# Altium PCB miniBackplane.PcbDoc (part 5 of 24) (continued)
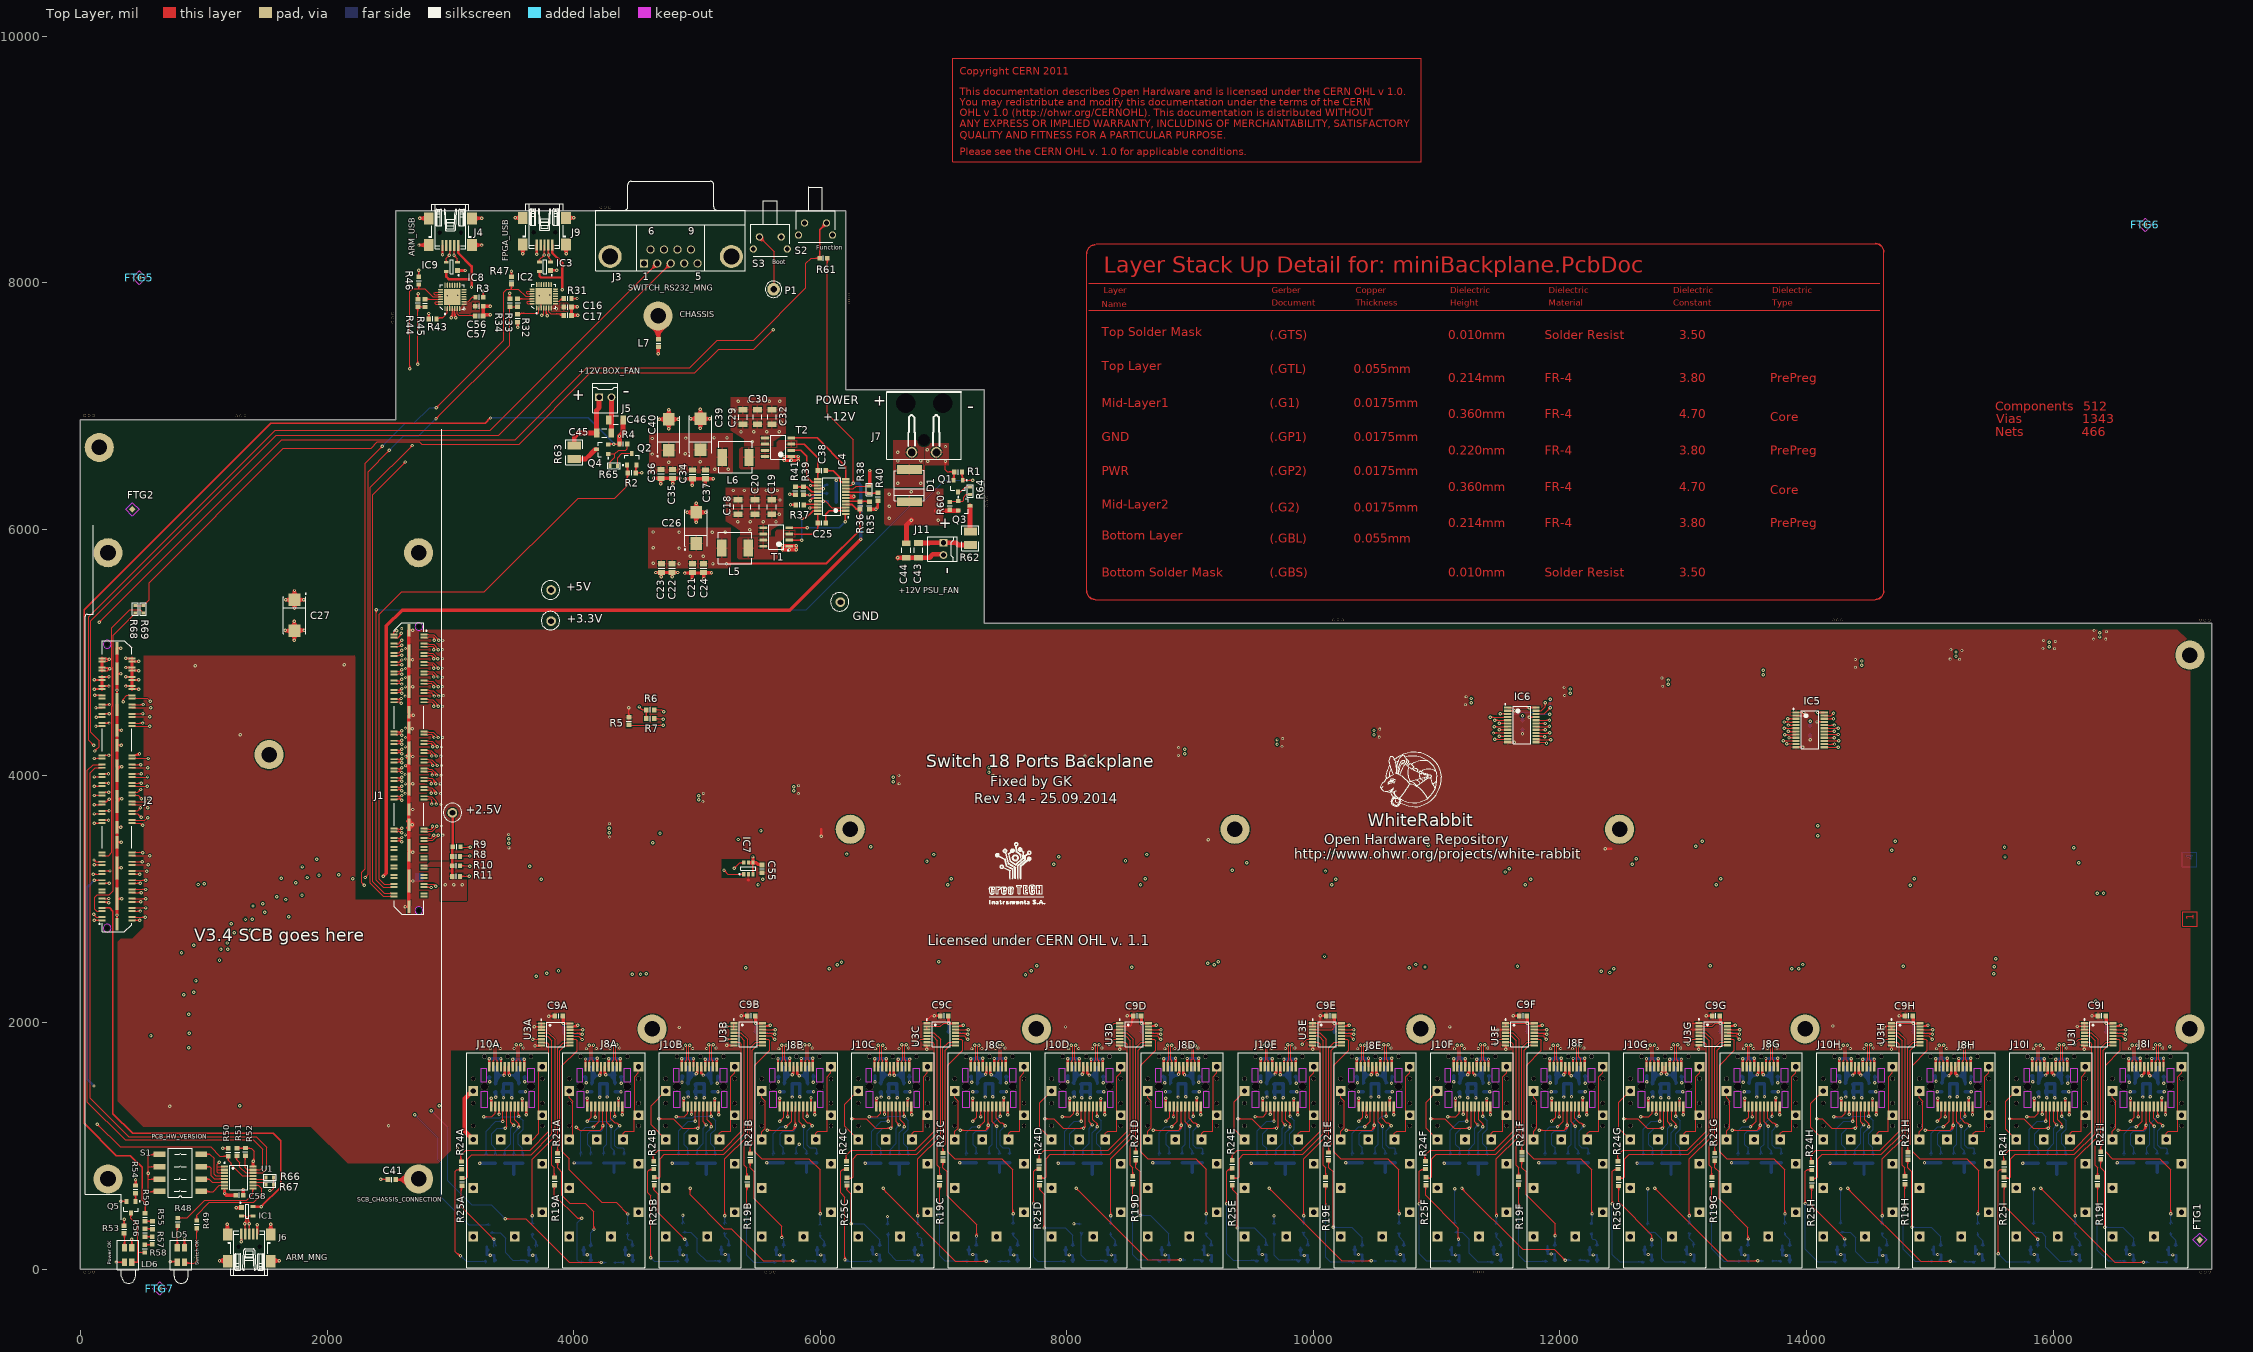
[diagram p0: Top Layer view]
## Nets (pads, with @x,y where several pads share a name; then routed paths per layer and width w, separated by ;. In a path a pad name is that pad's centre, name@x,y a point inside that pad or via, vN(x,y) a via of type N, cw(c..) or ccw(c..) an arc to the next point about the centre after c; other vN are vias at no path point) (continued)
  Mid-Layer 2 w7.09: v1(2691.56,6679.56) 2735,6723 v1(2735,7339) ; 2709.04,6697.04 ccw(c2726.51,6679.56) 2701.8,6679.56 cw(c2726.51,6679.56) 2709.04,6697.04 ; 2709.04,6697.04 cw(c2691.56,6714.51) 2691.56,6689.8 ccw(c2691.56,6714.51) 2709.04,6697.04 ; 2735,7314.29 ccw(c2710.29,7314.29) 2727.76,7331.76 cw(c2710.29,7314.29) 2735,7314.29 ; 2735,7314.29 cw(c2759.71,7314.29) 2742.24,7331.76 ccw(c2759.71,7314.29) 2735,7314.29
ARM_DEBUG_TXD: IC8.25 J1.94 R46.1 | length 5918.2
  Top Layer w7.87: J1.94@2543.05,3047.49 2476.63,3047.49 2476.38,3047.24 2465.76,3047.24 2372,3141 2372,6282 v1(2636,6546) ; 2620.52,6532.01 ccw(c2615.66,6550.17) v1@2634.07,6546.39 ; 2622.01,6530.52 cw(c2640.17,6525.66) v1@2636.39,6544.07 ; v1(2672,7302) 2672,7927.5 ; 2672,7929.5 2694.5,7952 2743,7952 ; R46.1@2744,7985.5 2744,7953 ; IC8.25@2921.51,7885 2858,7885 2791,7952 2743,7952 ; 2512.88,3047.49 ccw(c2512.88,3057) 2519.6,3050.28 cw(c2512.88,3057) 2512.88,3047.49 ; 2512.88,3047.49 cw(c2512.88,3037.99) 2519.6,3044.71 ccw(c2512.88,3037.99) 2512.88,3047.49 ; 2619.2,6529.2 ccw(c2602.4,6546) 2626.16,6546 cw(c2602.4,6546) 2619.2,6529.2 ; 2619.2,6529.2 cw(c2636,6512.4) 2636,6536.16 ccw(c2636,6512.4) 2619.2,6529.2 ; 2672,7325.76 ccw(c2695.76,7325.76) 2678.96,7308.96 cw(c2695.76,7325.76) 2672,7325.76 ; 2672,7325.76 cw(c2648.24,7325.76) 2665.04,7308.96 ccw(c2648.24,7325.76) 2672,7325.76 ; 2743,7952 2744,7953 ; 2744,7953 ccw(c2712.56,7953) 2734.42,7975.6 cw(c2712.56,7953) 2744,7953 ; 2744,7953 cw(c2775.44,7953) 2753.58,7975.6 ccw(c2775.44,7953) 2744,7953
  Mid-Layer 1 w7.87: v1(2636,6546) v1@2638,6548
  Mid-Layer 2 w7.09: v1@2638,6548 2638,6813 2672,6847 v1(2672,7302) ; 2672,7277.29 ccw(c2647.29,7277.29) 2664.76,7294.76 cw(c2647.29,7277.29) 2672,7277.29 ; 2672,7277.29 cw(c2696.71,7277.29) 2679.24,7294.76 ccw(c2696.71,7277.29) 2672,7277.29 ; v1@2628.76,6553.24 ccw(c2606.46,6575.54) 2638,6575.54 cw(c2606.46,6575.54) v1@2628.76,6553.24 ; 2638,6565.88 ccw(c2655.88,6565.88) 2643.24,6553.24 cw(c2655.88,6565.88) 2638,6565.88
BOOT_SELECT: J2.5 R68.2 | length 2654.9
  Top Layer w6: J2.5@174.94,2903.79 134.36,2903.79 118,2920.15 118,3015 137,3034 234,3034 267,3067 267,5142.49 R68.2@444,5319.49
CHASSIS: C41.1 J6.6 J8A.21 J8A.22 J8A.23 J8A.24 J8A.25 J8A.26 J8A.27 J8A.28 J8A.29 J8A.30 J8A.31 J8B.21 J8B.22 J8B.23 J8B.24 J8B.25 J8B.26 J8B.27 J8B.28 J8B.29 J8B.30 J8B.31 J8C.21 J8C.22 J8C.23 J8C.24 J8C.25 J8C.26 J8C.27 J8C.28 J8C.29 J8C.30 J8C.31 J8D.21 J8D.22 J8D.23 J8D.24 J8D.25 J8D.26 J8D.27 J8D.28 J8D.29 J8D.30 J8D.31 J8E.21 J8E.22 J8E.23 J8E.24 J8E.25 J8E.26 J8E.27 J8E.28 J8E.29 J8E.30 J8E.31 J8F.21 J8F.22 J8F.23 J8F.24 J8F.25 J8F.26 J8F.27 J8F.28 J8F.29 J8F.30 J8F.31 J8G.21 J8G.22 J8G.23 J8G.24 J8G.25 J8G.26 J8G.27 J8G.28 J8G.29 J8G.30 J8G.31 J8H.21 J8H.22 J8H.23 J8H.24 J8H.25 J8H.26 J8H.27 J8H.28 J8H.29 J8H.30 J8H.31 J8I.21 J8I.22 J8I.23 J8I.24 J8I.25 J8I.26 J8I.27 J8I.28 J8I.29 J8I.30 J8I.31 J10A.21 J10A.22 J10A.23 J10A.24 J10A.25 J10A.26 J10A.27 J10A.28 J10A.29 J10A.30 J10A.31 J10B.21 J10B.22 J10B.23 J10B.24 J10B.25 J10B.26 J10B.27 J10B.28 J10B.29 J10B.30 J10B.31 J10C.21 J10C.22 J10C.23 J10C.24 J10C.25 J10C.26 J10C.27 J10C.28 J10C.29 J10C.30 J10C.31 J10D.21 J10D.22 J10D.23 J10D.24 J10D.25 J10D.26 J10D.27 J10D.28 J10D.29 J10D.30 J10D.31 J10E.21 J10E.22 J10E.23 J10E.24 J10E.25 J10E.26 J10E.27 J10E.28 J10E.29 J10E.30 J10E.31 J10F.21 J10F.22 J10F.23 J10F.24 J10F.25 J10F.26 J10F.27 J10F.28 J10F.29 J10F.30 J10F.31 J10G.21 J10G.22 J10G.23 J10G.24 J10G.25 J10G.26 J10G.27 J10G.28 J10G.29 J10G.30 J10G.31 J10H.21 J10H.22 J10H.23 J10H.24 J10H.25 J10H.26 J10H.27 J10H.28 J10H.29 J10H.30 J10H.31 J10I.21 J10I.22 J10I.23 J10I.24 J10I.25 J10I.26 J10I.27 J10I.28 J10I.29 J10I.30 J10I.31 pad.@2743.29,731.25 | length 21471.4
  Top Layer w6: J10A.26@3621.58,1050.67 3668.67,1050.67 3719,1101 3719,1218 3746.38,1245.38 J10A.23@3746.38,1247.52 3718,1275.9 3718,1599 3746.38,1627.38 J10A.22@3746.38,1641.22 ; J8A.24@3965.35,1050.67 3993,1078.31 3993,1363 3965.35,1390.65 J8A.21@3965.35,1444.37 ; J8A.26@4401.58,1050.67 4401.58,1099.58 4420,1118 4494,1118 4494,1228 4513.52,1247.52 J8A.23@4526.38,1247.52 4495,1278.9 4495,1560 4526.38,1591.38 J8A.22@4526.38,1641.22 ; J10B.24@4746.81,1050.67 4629,1168.48 4629,1326.56 J10B.21@4746.81,1444.37 ; J10B.26@5183.03,1050.67 5183.03,1099.58 5201.46,1118 5275.46,1118 J10B.23@5275.46,1228 ; J10B.23@5276.46,1278.9 5276.46,1560 5307.83,1591.38 J10B.22@5307.83,1641.22 ; J8B.24@5526.81,1050.67 5526.81,1113.35 5554.46,1141 5554.46,1363 5526.81,1390.65 J8B.21@5526.81,1444.37 ; J8B.26@5963.03,1050.67 5963.03,1099.58 5981.46,1118 6055.46,1118 J8B.23@6055.46,1228 ; J8B.23@6056.46,1278.9 6056.46,1560 6087.83,1591.38 J8B.22@6087.83,1641.22 ; J10C.24@6309.31,1050.67 6199.8,1160.18 6199.8,1337.8 6306.37,1444.37 J10C.21@6309.31,1444.37 ; J10C.26@6745.53,1050.67 6745.53,1099.58 6763.96,1118 6837.96,1118 J10C.23@6837.96,1228 ; J10C.23@6838.96,1278.9 6838.96,1560 6870.33,1591.38 J10C.22@6870.33,1641.22 ; J8C.24@7091.81,1050.67 7091.81,1116.35 7119.46,1144 7119.46,1363 7091.81,1390.65 J8C.21@7091.81,1444.37 ; J8C.26@7528.03,1050.67 7528.03,1099.58 7546.46,1118 7620.46,1118 J8C.23@7620.46,1228 ; J8C.23@7621.46,1278.9 7621.46,1560 7652.83,1591.38 J8C.22@7652.83,1641.22 ; J10D.24@7876.81,1050.67 7783,1144.48 7783,1350.56 J10D.21@7876.81,1444.37 ; J10D.26@8313.03,1050.67 8313.03,1099.58 8331.46,1118 8405.46,1118 J10D.23@8405.46,1228 ; J10D.23@8406.46,1278.9 8406.46,1560 8437.83,1591.38 J10D.22@8437.83,1641.22 ; J8D.24@8656.81,1050.67 8656.81,1118.35 8684.46,1146 8684.46,1363 8656.81,1390.65 J8D.21@8656.81,1444.37 ; J8D.26@9093.03,1050.67 9093.03,1099.58 9111.46,1118 9185.46,1118 J8D.23@9185.46,1228 ; J8D.23@9186.46,1278.9 9186.46,1560 9217.83,1591.38 J8D.22@9217.83,1641.22 ; J10E.24@9441.81,1050.67 9357,1135.48 9357,1358 9441.81,1442.81 J10E.21@9441.81,1444.37 ; J10E.26@9878.03,1050.67 9878.03,1099.58 9896.46,1118 9970.46,1118 J10E.23@9970.46,1228 ; J10E.23@9971.46,1278.9 9971.46,1560 10002.83,1591.38 J10E.22@10002.83,1641.22 ; J8E.24@10221.81,1050.67 10221.81,1117.35 10249.46,1145 10249.46,1363 10221.81,1390.65 J8E.21@10221.81,1444.37 ; J8E.26@10658.03,1050.67 10658.03,1099.58 10676.46,1118 10750.46,1118 J8E.23@10750.46,1228 ; J8E.23@10751.46,1278.9 10751.46,1560 10782.83,1591.38 J8E.22@10782.83,1641.22 ; J10F.24@11006.38,1050.67 10916,1141.05 10916,1353.99 J10F.21@11006.38,1444.37 ; J10F.26@11442.6,1050.67 11442.6,1099.58 11461.02,1118 11535.02,1118 J10F.23@11535.02,1228 ; J10F.23@11536.02,1278.9 11536.02,1560 11567.4,1591.38 J10F.22@11567.4,1641.22 ; J8F.24@11786.38,1050.67 11786.38,1118.35 11814.02,1146 11814.02,1363 11786.38,1390.65 J8F.21@11786.38,1444.37 ; J8F.26@12222.6,1050.67 12222.6,1099.58 12241.02,1118 12315.02,1118 J8F.23@12315.02,1228 ; J8F.23@12316.02,1278.9 12316.02,1560 12347.4,1591.38 J8F.22@12347.4,1641.22 ; J10G.24@12571.38,1050.67 12479,1143.05 12479,1351.99 J10G.21@12571.38,1444.37 ; J10G.26@13007.6,1050.67 13007.6,1099.58 13026.02,1118 13100.02,1118 J10G.23@13100.02,1228 ; J10G.23@13101.02,1278.9 13101.02,1560 13132.4,1591.38 J10G.22@13132.4,1641.22 ; J8G.24@13351.38,1050.67 13351.38,1120.35 13379.02,1148 13379.02,1363 13351.38,1390.65 J8G.21@13351.38,1444.37 ; J8G.26@13787.6,1050.67 13787.6,1099.58 13806.02,1118 13880.02,1118 J8G.23@13880.02,1228 ; J8G.23@13881.02,1278.9 13881.02,1560 13912.4,1591.38 J8G.22@13912.4,1641.22 ; J10H.24@14136.38,1050.67 14036,1151.05 14036,1343.99 J10H.21@14136.38,1444.37 ; J10H.26@14572.6,1050.67 14572.6,1099.58 14591.02,1118 14665.02,1118 J10H.23@14665.02,1228 ; J10H.23@14666.02,1278.9 14666.02,1560 14697.4,1591.38 J10H.22@14697.4,1641.22 ; J8H.24@14916.38,1050.67 14916.38,1115.35 14944.02,1143 14944.02,1363 14916.38,1390.65 J8H.21@14916.38,1444.37 ; J8H.26@15352.6,1050.67 15352.6,1099.58 15371.02,1118 15445.02,1118 J8H.23@15445.02,1228 ; J8H.23@15446.02,1278.9 15446.02,1560 15477.4,1591.38 J8H.22@15477.4,1641.22 ; J10I.24@15701.38,1050.67 15617,1135.05 15617,1359.99 J10I.21@15701.38,1444.37 ; J10I.26@16137.6,1050.67 16137.6,1099.58 16156.02,1118 16230.02,1118 J10I.23@16230.02,1228 ; J10I.23@16231.02,1278.9 16231.02,1560 16262.4,1591.38 J10I.22@16262.4,1641.22 ; J8I.24@16481.38,1050.67 16481.38,1117.35 16509.02,1145 16509.02,1363 16481.38,1390.65 J8I.21@16481.38,1444.37 ; J8I.26@16917.6,1050.67 16917.6,1099.58 16936.02,1118 17010.02,1118 J8I.23@17010.02,1228 ; J8I.23@17011.02,1278.9 17011.02,1560 17042.4,1591.38 J8I.22@17042.4,1641.22
  Top Layer w13.78: C41.1@2565.85,716.65 cw(c2586.01,696.49) 2586.01,725 cw(c2586.01,753.51) C41.1@2565.85,733.35 ; 2579.3,725 ccw(c2579.3,809.09) pad.@2655.26,773.03 ; 2581.89,725 cw(c2581.89,634.01) pad.@2659.83,680.97 ; 2601.09,725 ccw(c2601.09,798.74) pad.@2667.71,767.12 ; 2606.28,725 cw(c2606.28,648.71) pad.@2671.63,688.08 ; 2622.88,725 ccw(c2622.88,788.4) pad.@2680.16,761.22 ; pad.@2642.81,778.94 cw(c2557.5,819.43) C41.1@2557.5,725 ; pad.@2648.02,673.86 ccw(c2557.5,619.32) C41.1@2557.5,725 ; pad.@2743.29,731.25 2737.04,725 C41.1@2557.5,725
  Top Layer w27.56: v1@1139.15,67.92 cw(c1139.15,19.04) J6.6@1173.71,53.6 ; 1142.73,67.92 ccw(c1142.73,114.68) J6.6@1175.8,81.61 ; J6.6@1172.4,88.38 cw(c1127.81,126.72) v1(1127.81,67.92) ; J6.6@1173.71,306.33 ccw(c1129.2,350.83) v1@1192.14,350.83 ; J6.6@1174.64,46.67 ccw(c1127.81,5.7) v1(1127.81,67.92) ; J6.6@1175.8,307.99 ccw(c1136.36,347.44) 1192.14,347.44 ; J6.6@1192.14,67.92 v1(1127.81,67.92) ; J6.6@1192.14,284.45 v1(1192.14,363.19) ; 1192.14,349.2 ccw(c1252.77,349.2) J6.6@1209.9,306.33 ; v1@1192.14,355.92 ccw(c1259.92,355.92) J6.6@1211.99,307.99 ; J6.6@1524.1,306.33 ccw(c1479.6,350.83) v1@1542.54,350.83 ; J6.6@1526.2,307.99 ccw(c1486.75,347.44) 1542.54,347.44 ; J6.6@1542.54,67.92 v1(1611.87,67.92) ; J6.6@1542.54,284.45 v1(1542.54,363.19) ; 1542.54,349.2 ccw(c1603.16,349.2) J6.6@1560.29,306.33 ; v1@1542.54,355.92 ccw(c1610.31,355.92) J6.6@1562.39,307.99 ; J6.6@1560.29,53.6 cw(c1594.85,19.04) 1594.85,67.92 ; J6.6@1560.52,89.56 ccw(c1611.86,139.64) v1(1611.87,67.92) ; J6.6@1562.39,81.61 ccw(c1595.46,114.68) 1595.46,67.92 ; J6.6@1563.27,46.35 cw(c1611.86,2.39) v1(1611.87,67.92)
  Top Layer w39.37: J10A.24@3185.35,1050.67 3117,1119.02 3117,1382 3179.37,1444.37 J10A.21@3185.35,1444.37
CHASSIS1: J3.10 J3.11 J4.6 J9.6 L7.2 pad.@4685,7731 | length 3126.8
  Top Layer w7.87: v1@2745,8305 v1(2745.86,8305.86) ; v1@2749,8524 v1(2750.61,8522.39) ; v1(3254.86,8305.86) v1@3256,8307 ; v1(3255.39,8522.39) v1@3256,8523 ; pad.@4687.39,7625.17 pad.@4687.39,7698.94
  Top Layer w27.56: v1(2745.86,8305.86) J4.6@2824.8,8305.86 ; v1(2750.61,8522.39) J4.6@2824.8,8522.39 ; J4.6@3175.2,8305.86 v1(3254.86,8305.86) ; J4.6@3175.2,8522.39 v1(3255.39,8522.39) ; v1(3525.2,8526.39) J9.6@3588.66,8526.39 ; v1(3588.66,8234.86) J9.6@3588.66,8309.86 ; v1(3939.06,8235.25) J9.6@3939.06,8309.86 ; J9.6@3939.06,8526.39 v1(4002.13,8526.39) ; pad.@4687.39,7625.17 L7.2@4687.39,7543.3 ; L7.2@4688.19,7542.5 L7.2@4687.39,7543.3 ; 2763.02,8305.86 ccw(c2763.02,8367.64) 2806.71,8323.95 cw(c2763.02,8367.64) 2763.02,8305.86 ; 2763.02,8305.86 cw(c2763.02,8244.08) 2806.71,8287.76 ccw(c2763.02,8244.08) 2763.02,8305.86 ; v1@2763.02,8522.39 ccw(c2763.02,8584.18) 2806.71,8540.49 cw(c2763.02,8584.18) v1@2763.02,8522.39 ; v1@2763.02,8522.39 cw(c2763.02,8460.61) 2806.71,8504.3 ccw(c2763.02,8460.61) v1@2763.02,8522.39 ; 3236.98,8305.86 ccw(c3236.98,8244.08) 3193.29,8287.76 cw(c3236.98,8244.08) 3236.98,8305.86 ; 3236.98,8305.86 cw(c3236.98,8367.64) 3193.29,8323.95 ccw(c3236.98,8367.64) 3236.98,8305.86 ; 3236.98,8522.39 ccw(c3236.98,8460.61) 3193.29,8504.3 cw(c3236.98,8460.61) 3236.98,8522.39 ; 3236.98,8522.39 cw(c3236.98,8584.18) 3193.29,8540.49 ccw(c3236.98,8584.18) 3236.98,8522.39 ; v1@3526.88,8526.39 ccw(c3526.88,8588.18) 3570.57,8544.49 cw(c3526.88,8588.18) v1@3526.88,8526.39 ; v1@3526.88,8526.39 cw(c3526.88,8464.61) 3570.57,8508.3 ccw(c3526.88,8464.61) v1@3526.88,8526.39 ; v1@3588.66,8238.23 ccw(c3526.88,8238.23) 3570.57,8281.92 cw(c3526.88,8238.23) v1@3588.66,8238.23 ; v1@3588.66,8238.23 cw(c3650.44,8238.23) 3606.76,8281.92 ccw(c3650.44,8238.23) v1@3588.66,8238.23 ; v1@3939.06,8238.23 ccw(c3877.27,8238.23) 3920.96,8281.92 cw(c3877.27,8238.23) v1@3939.06,8238.23 ; v1@3939.06,8238.23 cw(c4000.84,8238.23) 3957.15,8281.92 ccw(c4000.84,8238.23) v1@3939.06,8238.23 ; v1@4000.84,8526.39 ccw(c4000.84,8464.61) 3957.15,8508.3 cw(c4000.84,8464.61) v1@4000.84,8526.39 ; v1@4000.84,8526.39 cw(c4000.84,8588.18) 3957.15,8544.49 ccw(c4000.84,8588.18) v1@4000.84,8526.39 ; L7.2@4687.39,7543.29 ccw(c4573.27,7543.29) 4631.64,7641.35 cw(c4573.27,7543.29) L7.2@4687.39,7543.29 ; L7.2@4687.39,7543.29 cw(c4806.84,7543.29) 4741.8,7643.49 ccw(c4806.84,7543.29) L7.2@4687.39,7543.29 ; pad.@4645.73,7665.03 cw(c4602.12,7591.77) 4687.39,7591.77 ccw(c4602.12,7591.77) pad.@4645.73,7665.03 ; 4687.39,7594.04 cw(c4773.9,7594.04) 4726.8,7666.6 ccw(c4773.9,7594.04) 4687.39,7594.04
EXT_NRST: J2.31
FAN_BOX_EN: J1.90 Q2.1 R2.1 | length 5374.3
  Top Layer w7.87: J1.90@2543.05,3122.49 2464.51,3122.49 2425,3162 2425,5310.35 2607.65,5493 3277,5493 4037,6253 4334,6253 4434.8,6353.8 Q2.1@4434.8,6523.17 ; Q2.1@4428.69,6506.59 cw(c4418.49,6488.92) 4438.2,6494.2 ; 4440.89,6484.17 cw(c4473.79,6492.98) Q2.1@4444.69,6510.68 ; 2512.88,3122.49 ccw(c2512.88,3132) 2519.6,3125.28 cw(c2512.88,3132) 2512.88,3122.49 ; 2512.88,3122.49 cw(c2512.88,3112.99) 2519.6,3119.71 ccw(c2512.88,3112.99) 2512.88,3122.49 ; Q2.1@4426.25,6508.47 cw(c4405.61,6487.83) 4434.8,6487.83 ccw(c4405.61,6487.83) Q2.1@4426.25,6508.47 ; R2.1@4430.96,6445.7 cw(c4421.69,6436.44) 4434.8,6436.44 ccw(c4421.69,6436.44) R2.1@4430.96,6445.7 ; R2.1@4430.96,6469.13 ccw(c4421.69,6478.39) 4434.8,6478.39 cw(c4421.69,6478.39) R2.1@4430.96,6469.13 ; 4434.8,6407.92 cw(c4488.23,6407.92) 4450.45,6445.7 ccw(c4488.23,6407.92) 4434.8,6407.92 ; 4434.8,6426.93 cw(c4469.22,6426.93) 4444.88,6451.27 ccw(c4469.22,6426.93) 4434.8,6426.93 ; 4434.8,6487.9 ccw(c4469.22,6487.9) 4444.88,6463.56 cw(c4469.22,6487.9) 4434.8,6487.9 ; 4434.8,6488.78 cw(c4462.64,6488.78) 4442.95,6508.47 ccw(c4462.64,6488.78) 4434.8,6488.78 ; Q2.1@4434.8,6506.91 ccw(c4488.23,6506.91) 4450.45,6469.13 cw(c4488.23,6506.91) Q2.1@4434.8,6506.91
FAN_PSU_EN: J1.92 Q1.1 R1.1 | length 8486.3
  Top Layer w7.87: v1(2400,5347) 2400,3153 2455.51,3097.49 J1.92@2543.05,3097.49 ; R1.1@7143.49,6450.17 cw(c7133.96,6434.04) 7152.1,6438.7 ; R1.1@7150.5,6464 7150.5,6404.15 Q1.1@7156.4,6398.24 v1(7237.24,6398.24) v1@7239,6400 ; 7151.02,6442.92 cw(c7166.77,6446.98) R1.1@7154.83,6458.02 ; 7154.62,6428.94 cw(c7179.38,6435.31) R1.1@7160.61,6452.67 ; 2400,5323.24 ccw(c2376.24,5323.24) 2393.04,5340.04 cw(c2376.24,5323.24) 2400,5323.24 ; 2400,5323.24 cw(c2423.76,5323.24) 2406.96,5340.04 ccw(c2423.76,5323.24) 2400,5323.24 ; 2512.88,3097.49 ccw(c2512.88,3107) 2519.6,3100.28 cw(c2512.88,3107) 2512.88,3097.49 ; 2512.88,3097.49 cw(c2512.88,3087.99) 2519.6,3094.71 ccw(c2512.88,3087.99) 2512.88,3097.49 ; 7150.5,6428.76 ccw(c7117.23,6428.76) 7140.75,6452.29 cw(c7117.23,6428.76) 7150.5,6428.76 ; 7150.5,6428.76 cw(c7183.76,6428.76) 7160.24,6452.29 ccw(c7183.76,6428.76) 7150.5,6428.76 ; 7184.92,6398.24 ccw(c7184.92,6369.73) 7164.75,6389.89 cw(c7184.92,6369.73) 7184.92,6398.24 ; 7184.92,6398.24 cw(c7184.92,6426.76) 7164.75,6406.6 ccw(c7184.92,6426.76) 7184.92,6398.24 ; 7213.48,6398.24 ccw(c7213.48,6422.01) 7230.28,6405.2 cw(c7213.48,6422.01) 7213.48,6398.24 ; 7213.48,6398.24 cw(c7213.48,6374.48) 7230.28,6391.28 ccw(c7213.48,6374.48) 7213.48,6398.24 ; 7150.5,6425.94 ccw(c7180.16,6425.94) 7159.19,6404.96 cw(c7180.16,6425.94) 7150.5,6425.94 ; R1.1@7150.5,6444.95 ccw(c7199.17,6444.95) 7164.75,6410.53 cw(c7199.17,6444.95) R1.1@7150.5,6444.95
  Bottom Layer w7.87: v1(2400,5347) 5887,5347 6778,6238 6852,6238 7012.24,6398.24 v1(7237.24,6398.24) ; 2423.76,5347 ccw(c2423.76,5323.24) 2406.96,5340.04 cw(c2423.76,5323.24) 2423.76,5347 ; 2423.76,5347 cw(c2423.76,5370.76) 2406.96,5353.96 ccw(c2423.76,5370.76) 2423.76,5347 ; 7213.48,6398.24 ccw(c7213.48,6422.01) 7230.28,6405.2 cw(c7213.48,6422.01) 7213.48,6398.24 ; 7213.48,6398.24 cw(c7213.48,6374.48) 7230.28,6391.28 ccw(c7213.48,6374.48) 7213.48,6398.24
FBOOT_SEL: J2.29 R69.2 | length 2240.4
  Top Layer w6: J2.29@174.94,3353.79 227.79,3353.79 254,3380 254,4564.44 256.89,4567.32 256.89,4858.51 256.94,4858.56 256.94,4878.66 254,4881.6 254,5200 401,5347 484,5347 508.51,5322.49 R69.2@511,5322.49
FPGA-GPIO36: IC7.6 J2.74 R11.2 U3A.15 | length 8867.8
  Top Layer w7.87: J2.74@417.94,4553.79 418.53,4553.2 570.2,4553.2 v1(570.79,4553.79) v1@572,4555 ; R11.2@3078.74,3185.04 v1(3153.54,3185.04) ; U3A.15@3970.81,1965.94 4023.65,1965.94 ; U3A.15@3994.76,1963.48 cw(c4009.79,1954.8) 4005.3,1971.57 ; 4004.94,1970.77 cw(c4015.6,1952.31) v1@4028.65,1969.17 ; 4015.1,1976.64 cw(c4023.36,1962.34) v1@4033.46,1975.4 ; 4015.23,1967.93 cw(c4022.95,1954.56) v1@4030.11,1968.24 ; 4017.12,1969.02 ccw(c4008.48,1983.98) v1@4025.16,1979.51 ; v1(4034.67,1976.96) 4023.65,1965.94 ; v1@5301.61,3251.93 ccw(c5297.83,3270.34) 5315.99,3265.48 ; v1(5302,3250) 5349.09,3297.09 IC7.6@5380.17,3297.09 ; v1@5303.93,3249.61 cw(c5322.34,3245.83) 5317.48,3263.99 ; 3112.01,3185.04 ccw(c3112.01,3151.77) 3088.48,3175.3 cw(c3112.01,3151.77) 3112.01,3185.04 ; 3112.01,3185.04 cw(c3112.01,3218.31) 3088.48,3194.78 ccw(c3112.01,3218.31) 3112.01,3185.04 ; 3129.78,3185.04 ccw(c3129.78,3208.8) 3146.58,3192 cw(c3129.78,3208.8) 3129.78,3185.04 ; 3129.78,3185.04 cw(c3129.78,3161.28) 3146.58,3178.08 ccw(c3129.78,3161.28) 3129.78,3185.04 ; 4002.38,1965.94 ccw(c4002.38,1954.06) 3993.98,1962.46 cw(c4002.38,1954.06) 4002.38,1965.94 ; 4002.38,1965.94 cw(c4002.38,1977.82) 3993.98,1969.42 ccw(c4002.38,1977.82) 4002.38,1965.94 ; 4023.65,1965.94 ccw(c4018.4,1971.19) 4025.39,1973.67 cw(c4018.4,1971.19) 4023.65,1965.94 ; 4023.65,1965.94 cw(c4028.9,1960.69) 4031.38,1967.68 ccw(c4028.9,1960.69) 4023.65,1965.94 ; 5318.8,3266.8 ccw(c5335.6,3250) 5311.84,3250 cw(c5335.6,3250) 5318.8,3266.8 ; 5318.8,3266.8 cw(c5302,3283.6) 5302,3259.84 ccw(c5302,3283.6) 5318.8,3266.8 ; 5358.78,3297.09 ccw(c5358.78,3318.48) 5373.9,3303.36 cw(c5358.78,3318.48) 5358.78,3297.09 ; 5358.78,3297.09 cw(c5358.78,3275.71) 5373.9,3290.83 ccw(c5358.78,3275.71) 5358.78,3297.09 ; J2.74@441.39,4551.01 cw(c446.69,4545.71) 446.69,4553.2 ccw(c446.69,4545.71) J2.74@441.39,4551.01 ; J2.74@441.39,4556.58 ccw(c449.54,4564.72) 449.54,4553.2 cw(c449.54,4564.72) J2.74@441.39,4556.58 ; U3A.15@3984.29,1965.94 ccw(c3984.29,2027.34) 4027.71,1983.92 cw(c3984.29,2027.34) U3A.15@3984.29,1965.94 ; 4003.3,1965.94 ccw(c4003.3,2008.33) 4033.28,1978.35 cw(c4003.3,2008.33) 4003.3,1965.94 ; 4022.31,1965.94 ccw(c4022.31,1989.32) 4038.84,1972.78 cw(c4022.31,1989.32) 4022.31,1965.94
  Mid-Layer 1 w7.09: v1(3153.54,3185.04) 3708.66,3185.04 v1@3734.25,3159.45 ; 3728.07,3173.84 cw(c3723.61,3157.19) v1@3739.95,3162.67 ; v1(3736.22,3161.42) 5213.42,3161.42 v1(5302,3250) ; 3178.26,3185.04 ccw(c3178.26,3160.33) 3160.78,3177.8 cw(c3178.26,3160.33) 3178.26,3185.04 ; 3178.26,3185.04 cw(c3178.26,3209.75) 3160.78,3192.28 ccw(c3178.26,3209.75) 3178.26,3185.04 ; 3760.93,3161.42 ccw(c3760.93,3136.7) 3743.46,3154.18 cw(c3760.93,3136.7) 3760.93,3161.42 ; 3760.93,3161.42 cw(c3760.93,3186.13) 3743.46,3168.66 ccw(c3760.93,3186.13) 3760.93,3161.42 ; 5284.53,3232.53 ccw(c5267.05,3250) 5291.76,3250 cw(c5267.05,3250) 5284.53,3232.53 ; 5284.53,3232.53 cw(c5302,3215.05) 5302,3239.76 ccw(c5302,3215.05) 5284.53,3232.53 ; 3712.03,3181.68 ccw(c3736.22,3205.87) 3736.22,3171.65 cw(c3736.22,3205.87) 3712.03,3181.68 ; 3721.53,3172.17 cw(c3710.78,3161.42) 3725.98,3161.42 ccw(c3710.78,3161.42) 3721.53,3172.17 ; 3724.12,3169.58 ccw(c3736.22,3181.68) 3736.22,3164.57 cw(c3736.22,3181.68) 3724.12,3169.58
  Mid-Layer 2 w7.09: v1(570.79,4553.79) 1455.21,4553.79 1871,4138 1871,3643 2285.65,3228.35 2366.14,3228.35 3110.24,3228.35 v1(3153.54,3185.04) ; v1@3734.25,3159.45 3787.4,3106.3 3787.4,2751.97 3940.68,2598.69 3940.68,2076.73 ; v1@3737.47,3165.15 cw(c3731.99,3148.81) 3748.64,3153.27 ; 3944.22,2075.08 v1@4038.5,1980.8 ; 4018.05,2000.78 ccw(c4048.93,2009.05) v1@4035.95,1979.84 ; 4021.89,1986.44 ccw(c4041.18,1991.61) v1@4033.07,1973.36 ; 595.5,4553.79 ccw(c595.5,4529.08) 578.03,4546.55 cw(c595.5,4529.08) 595.5,4553.79 ; 595.5,4553.79 cw(c595.5,4578.5) 578.03,4561.03 ccw(c595.5,4578.5) 595.5,4553.79 ; 3136.07,3202.51 ccw(c3153.54,3219.99) 3153.54,3195.28 cw(c3153.54,3219.99) 3136.07,3202.51 ; 3136.07,3202.51 cw(c3118.59,3185.04) 3143.31,3185.04 ccw(c3118.59,3185.04) 3136.07,3202.51 ; v1@3736.22,3151.18 cw(c3736.22,3135.97) 3746.97,3146.73 ccw(c3736.22,3135.97) v1@3736.22,3151.18 ; v1@3739.37,3161.42 ccw(c3756.48,3161.42) 3744.38,3149.32 cw(c3756.48,3161.42) v1@3739.37,3161.42 ; v1@3746.46,3161.42 ccw(c3780.67,3161.42) 3756.48,3137.22 cw(c3780.67,3161.42) v1@3746.46,3161.42 ; 4011.77,2007.53 cw(c3981.2,1976.96) 4024.43,1976.96 ccw(c3981.2,1976.96) 4011.77,2007.53 ; 4023.87,1995.43 cw(c4005.4,1976.96) 4031.52,1976.96 ccw(c4005.4,1976.96) 4023.87,1995.43
FPGA-GPIO37: IC7.1 J2.76 R10.1 U3A.14 | length 8679.8
  Top Layer w7.87: J2.76@417.94,4578.79 v1(509.79,4578.79) v1@511,4580 ; R10.1@3078.74,3271.65 v1@3157.48,3271.65 ; U3A.14@3970.81,1940.35 v1(4073.05,1940.35) ; v1@5219.61,3233.07 cw(c5215.83,3214.66) 5233.99,3219.52 ; v1(5220,3235) 5252.39,3202.61 IC7.1@5380.17,3202.61 ; v1@5221.93,3235.39 ccw(c5240.34,3239.17) 5235.48,3221.01 ; 448.12,4578.79 ccw(c448.12,4569.29) 441.39,4576.01 cw(c448.12,4569.29) 448.12,4578.79 ; 448.12,4578.79 cw(c448.12,4588.3) 441.39,4581.58 ccw(c448.12,4588.3) 448.12,4578.79 ; 486.03,4578.79 ccw(c486.03,4602.55) 502.83,4585.75 cw(c486.03,4602.55) 486.03,4578.79 ; 486.03,4578.79 cw(c486.03,4555.03) 502.83,4571.83 ccw(c486.03,4555.03) 486.03,4578.79 ; 3112.01,3271.65 ccw(c3112.01,3238.39) 3088.48,3261.91 cw(c3112.01,3238.39) 3112.01,3271.65 ; 3112.01,3271.65 cw(c3112.01,3304.92) 3088.48,3281.4 ccw(c3112.01,3304.92) 3112.01,3271.65 ; 4002.38,1940.35 ccw(c4002.38,1928.47) 3993.98,1936.87 cw(c4002.38,1928.47) 4002.38,1940.35 ; 4002.38,1940.35 cw(c4002.38,1952.23) 3993.98,1943.83 ccw(c4002.38,1952.23) 4002.38,1940.35 ; 4049.29,1940.35 ccw(c4049.29,1964.11) 4066.1,1947.31 cw(c4049.29,1964.11) 4049.29,1940.35 ; 4049.29,1940.35 cw(c4049.29,1916.58) 4066.1,1933.39 ccw(c4049.29,1916.58) 4049.29,1940.35 ; 5236.8,3218.2 ccw(c5220,3201.4) 5220,3225.16 cw(c5220,3201.4) 5236.8,3218.2 ; 5236.8,3218.2 cw(c5253.6,3235) 5229.84,3235 ccw(c5253.6,3235) 5236.8,3218.2 ; 5358.78,3202.61 ccw(c5358.78,3223.99) 5373.9,3208.87 cw(c5358.78,3223.99) 5358.78,3202.61 ; 5358.78,3202.61 cw(c5358.78,3181.22) 5373.9,3196.34 ccw(c5358.78,3181.22) 5358.78,3202.61
  Mid-Layer 1 w7.09: v1@3157.48,3271.65 v1(3157.48,3267.72) v1(3645.67,3267.72) 5187.28,3267.72 v1(5220,3235) ; 3182.19,3267.72 ccw(c3182.19,3243) 3164.72,3260.48 cw(c3182.19,3243) 3182.19,3267.72 ; 3182.19,3267.72 cw(c3182.19,3292.43) 3164.72,3274.95 ccw(c3182.19,3292.43) 3182.19,3267.72 ; 3620.96,3267.72 ccw(c3620.96,3292.43) 3638.43,3274.95 cw(c3620.96,3292.43) 3620.96,3267.72 ; 3620.96,3267.72 cw(c3620.96,3243) 3638.43,3260.48 ccw(c3620.96,3243) 3620.96,3267.72 ; 3670.38,3267.72 ccw(c3670.38,3243) 3652.91,3260.48 cw(c3670.38,3243) 3670.38,3267.72 ; 3670.38,3267.72 cw(c3670.38,3292.43) 3652.91,3274.95 ccw(c3670.38,3292.43) 3670.38,3267.72 ; 5202.53,3252.47 ccw(c5220,3269.95) 5220,3245.24 cw(c5220,3269.95) 5202.53,3252.47 ; 5202.53,3252.47 cw(c5185.05,3235) 5209.76,3235 ccw(c5185.05,3235) 5202.53,3252.47
  Mid-Layer 2 w7.09: v1(509.79,4578.79) 510.38,4579.38 1509.62,4579.38 2043,4046 2043,3591 2350.54,3283.46 2401.57,3283.46 3129.92,3283.46 ; 3142.69,3276.96 cw(c3143.76,3252.73) v1@3160.14,3270.62 ; v1@3149.61,3263.78 3129.92,3283.46 ; v1(3645.67,3267.72) 3712.6,3267.72 3834.65,3145.67 3834.65,2775.59 3976.38,2633.86 3976.38,2090.96 ; 3979.92,2089.31 4073.05,1996.17 v1(4073.05,1940.35) ; 3129.92,3283.46 ccw(c3147.09,3300.63) 3154.4,3277.48 cw(c3147.09,3300.63) 3129.92,3283.46 ; 3670.38,3267.72 ccw(c3670.38,3243) 3652.91,3260.48 cw(c3670.38,3243) 3670.38,3267.72 ; 3670.38,3267.72 cw(c3670.38,3292.43) 3652.91,3274.95 ccw(c3670.38,3292.43) 3670.38,3267.72 ; 4073.05,1965.06 ccw(c4097.77,1965.06) 4080.29,1947.58 cw(c4097.77,1965.06) 4073.05,1965.06 ; 4073.05,1965.06 cw(c4048.34,1965.06) 4065.82,1947.58 ccw(c4048.34,1965.06) 4073.05,1965.06 ; v1@517.03,4571.55 cw(c535.93,4552.65) 535.93,4579.38 ccw(c535.93,4552.65) v1@517.03,4571.55 ; v1@517.03,4586.03 ccw(c533.08,4602.08) 533.08,4579.38 cw(c533.08,4602.08) v1@517.03,4586.03 ; 3138.18,3275.21 ccw(c3151.05,3288.08) 3156.53,3270.72 cw(c3151.05,3288.08) 3138.18,3275.21